# Altium PCB norbi_lm.PcbDoc (part 1 of 5) (continued)
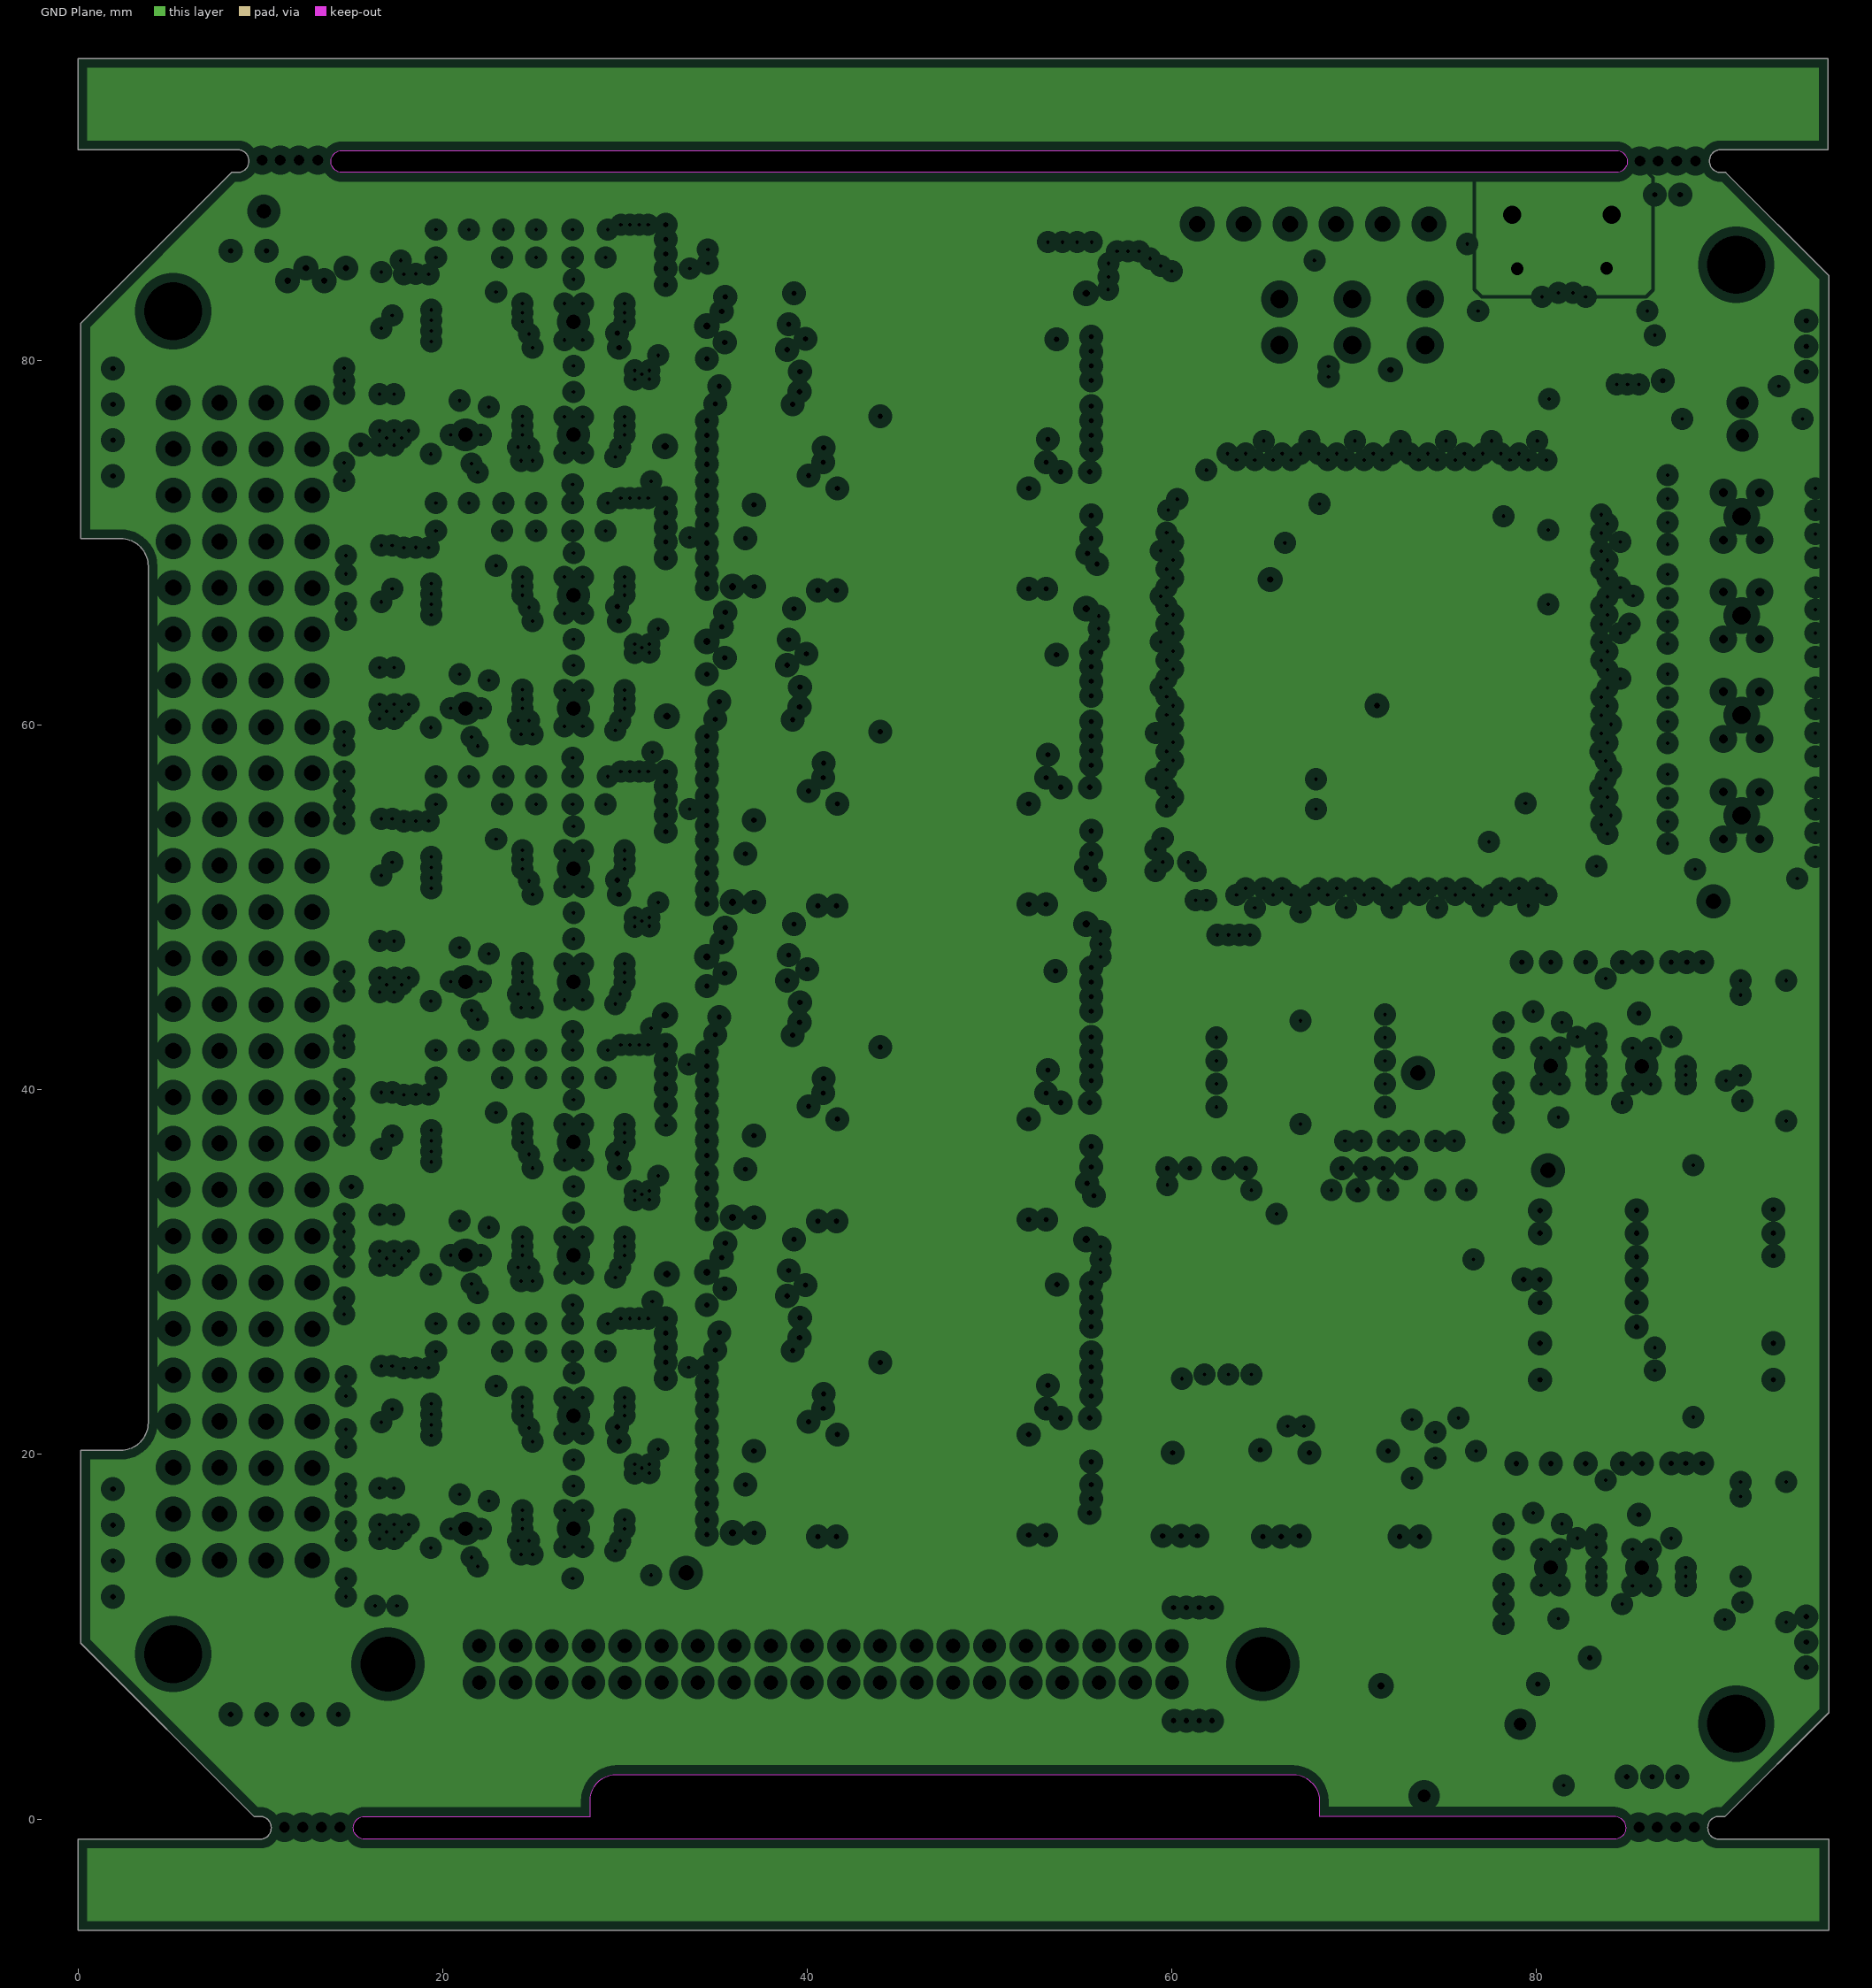
[diagram p4: GND Plane, clearances drawn from the general rule]
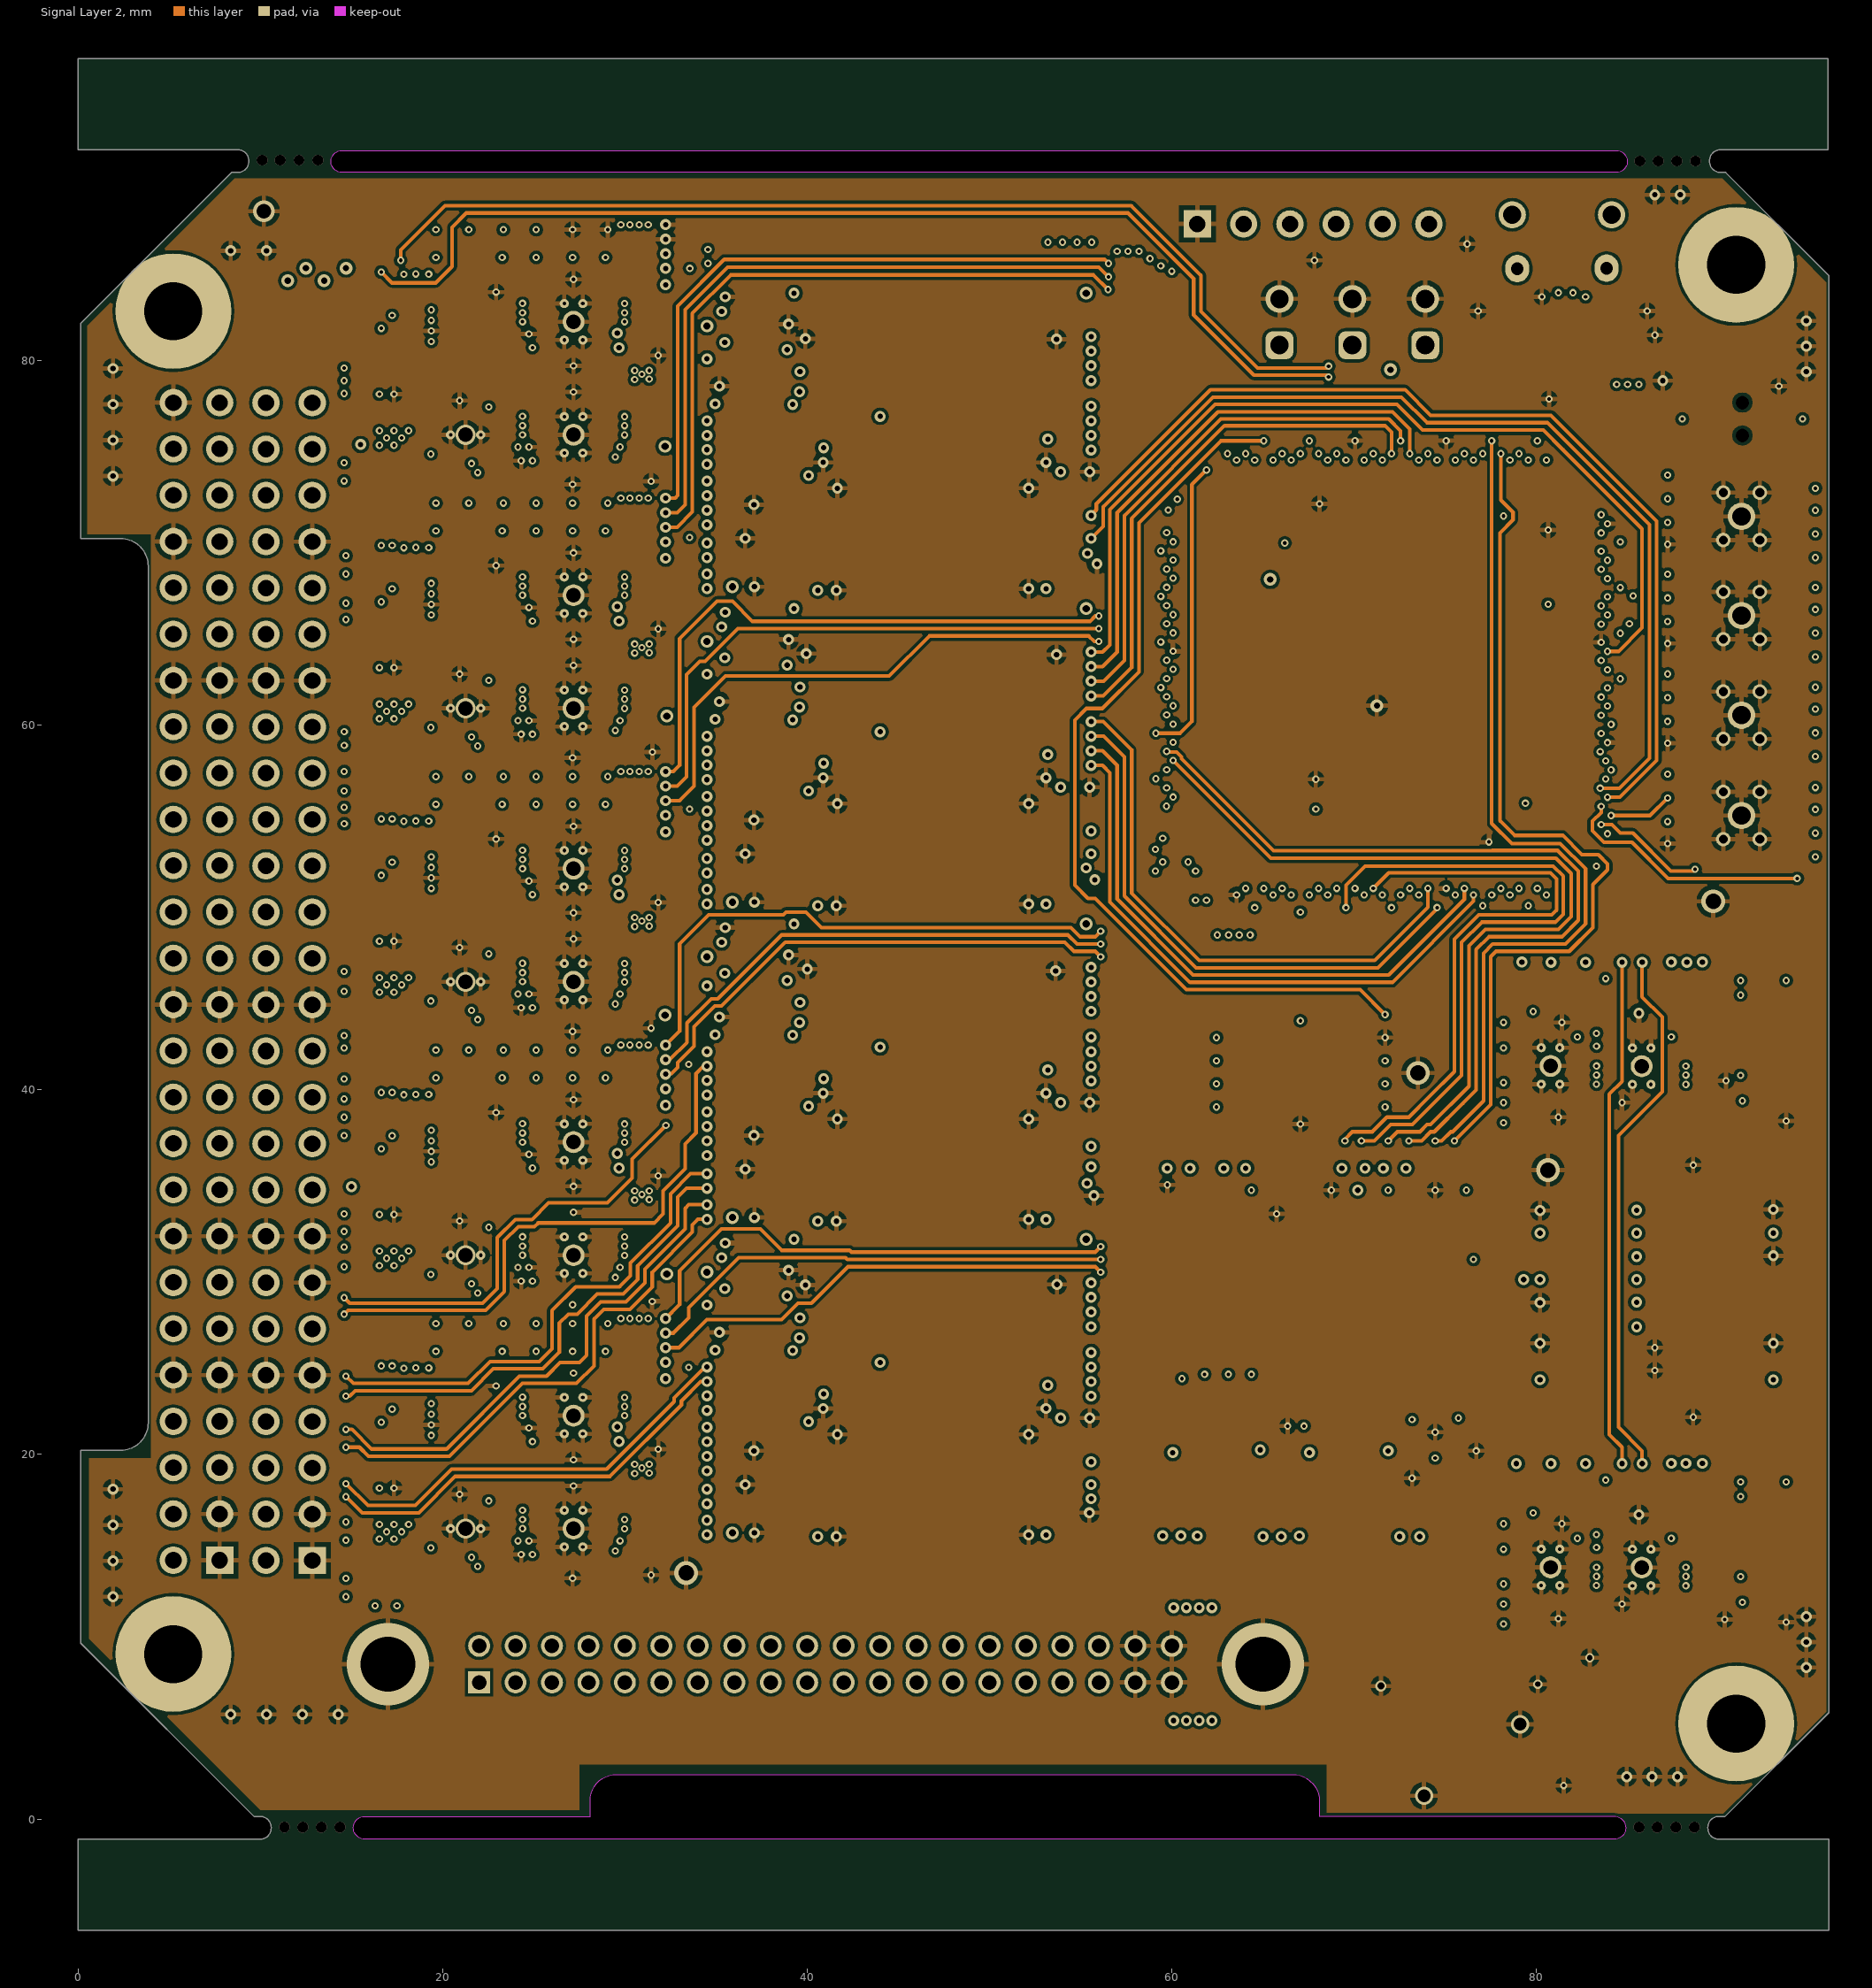
[diagram p5: Signal Layer 2]
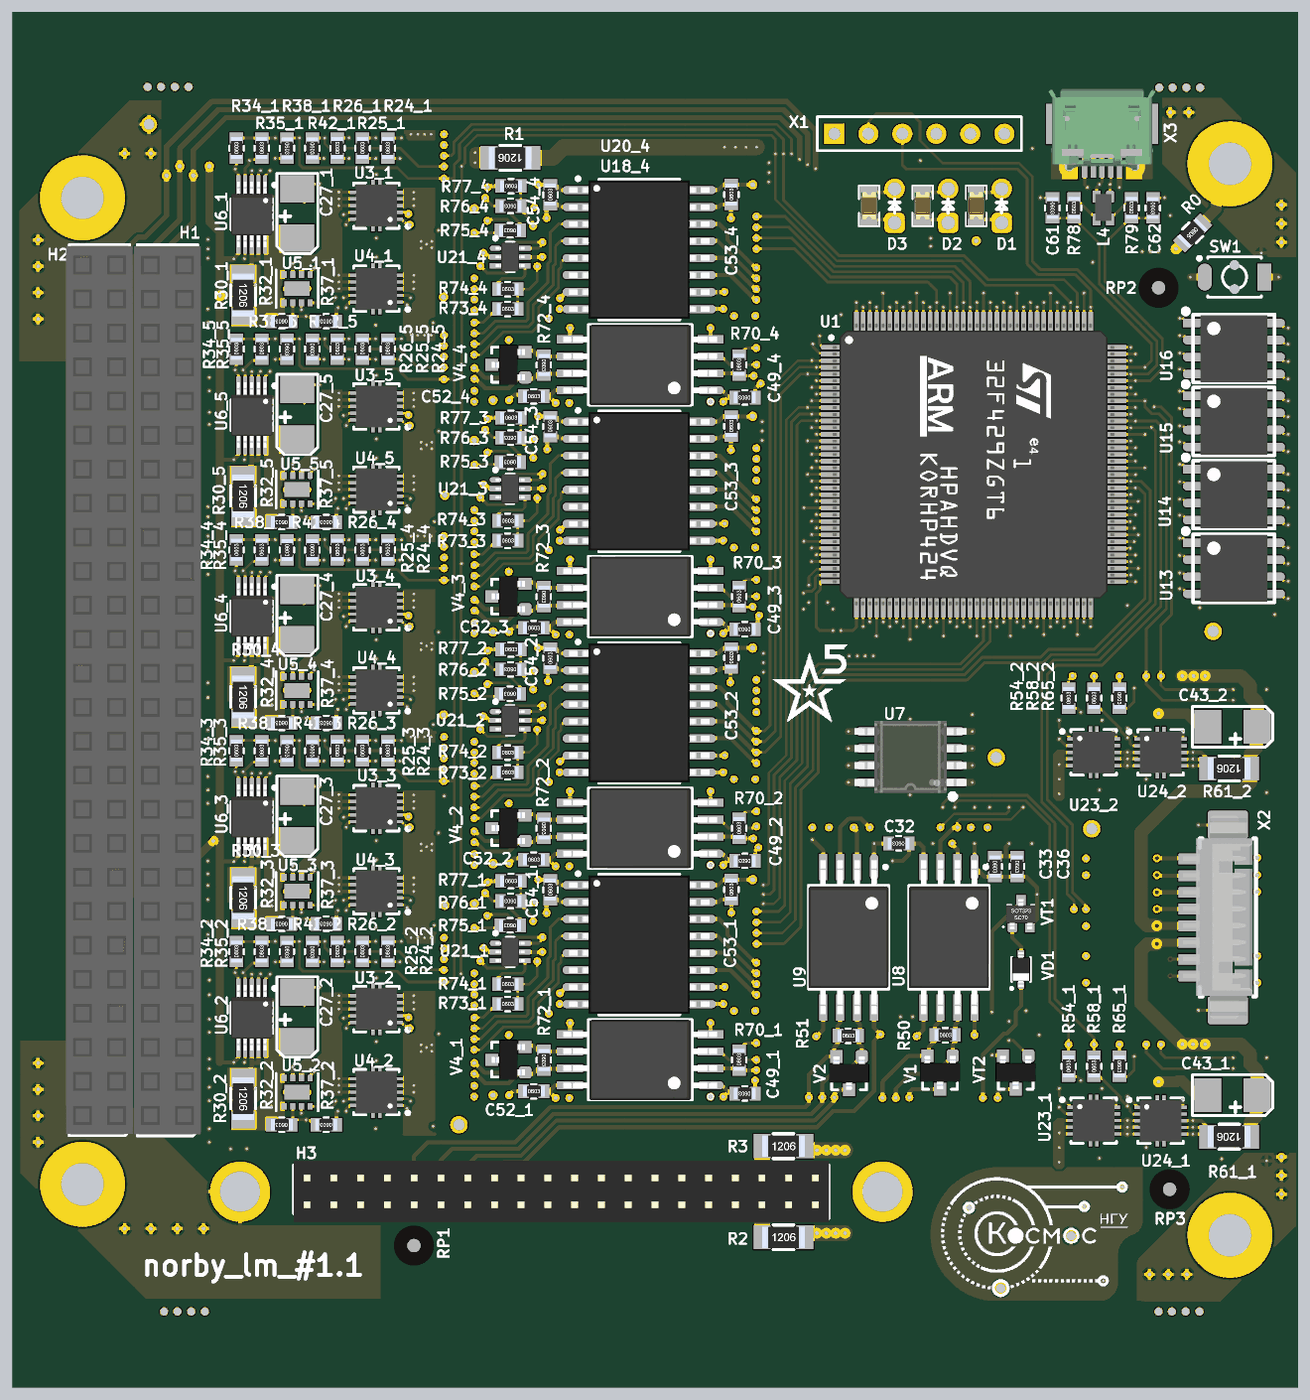
[diagram p10: 3D render of the assembled board from above, using the file's embedded part models]
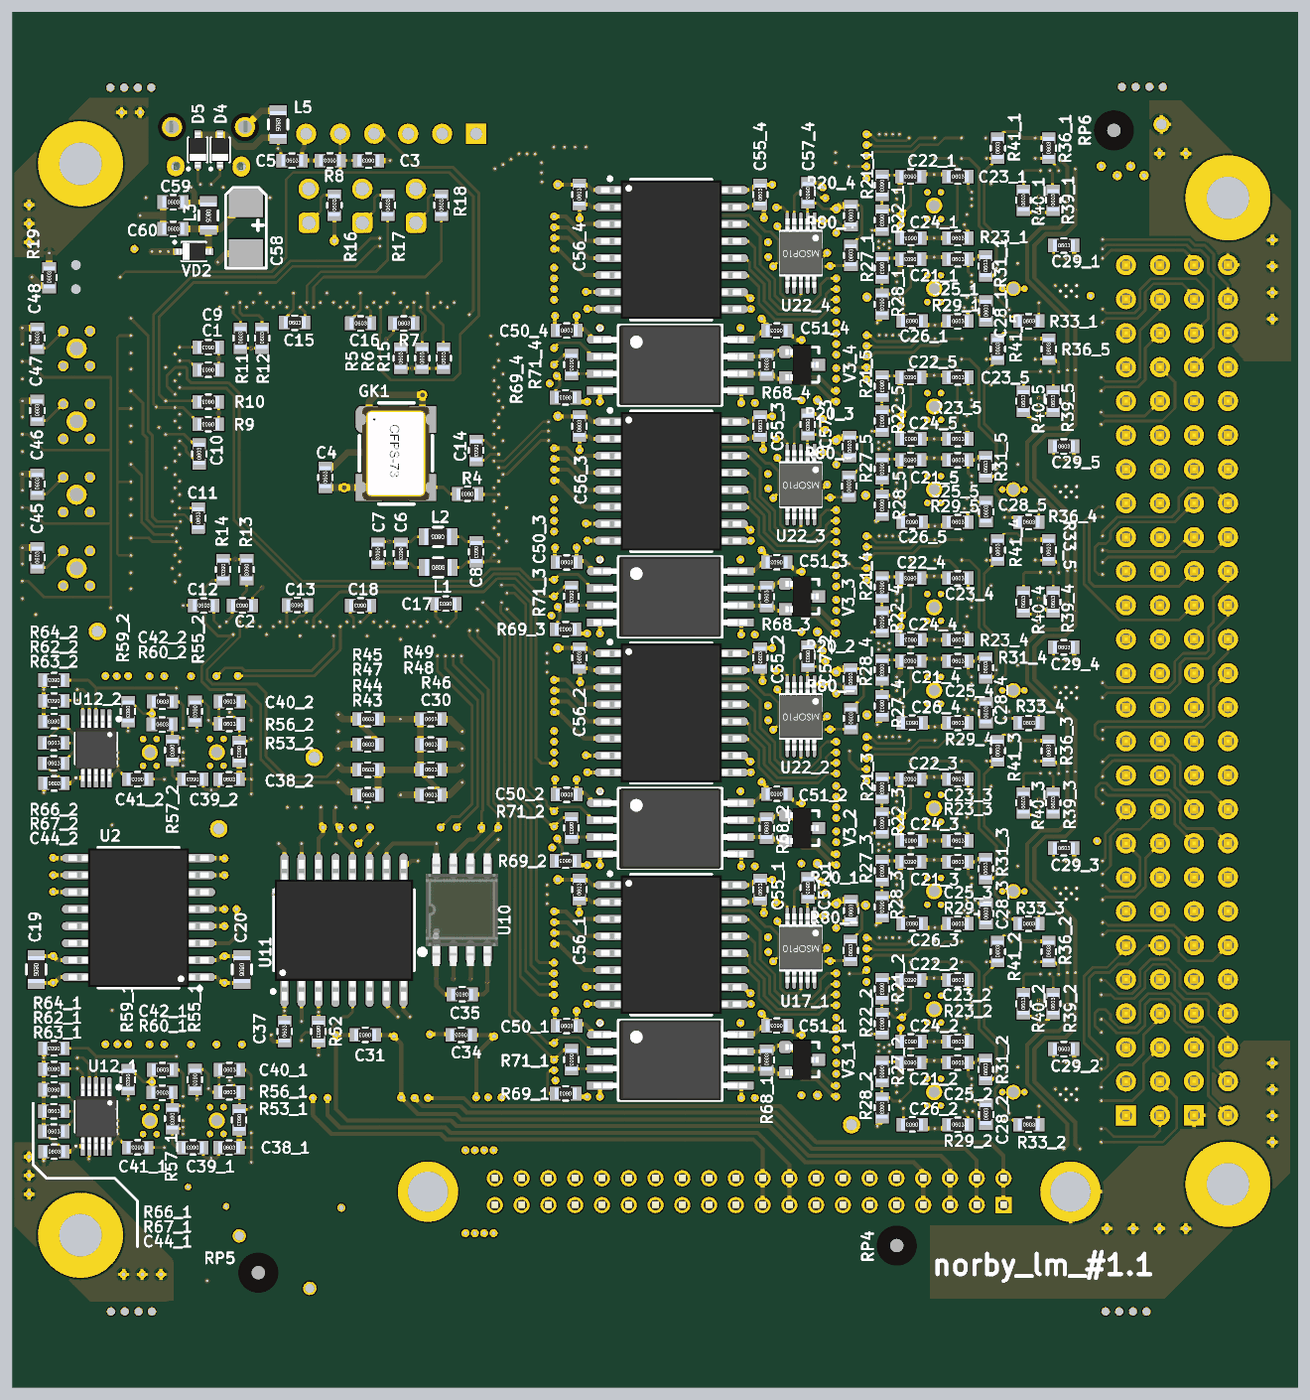
[diagram p11: 3D render of the assembled board from below, using the file's embedded part models]

## Layer stack, top to bottom
Top Solder: solder mask 0.01, Solder Resist, Dk 3.5
Top Layer: signal copper 0.03
Dielectric1: core 0.2, FR-4, Dk 4.8
Power Layer: signal copper 0.03
Dielectric3: prepreg 0.3, FR-4, Dk 4.8
Signal Layer 1: signal copper 0.03
Dielectric2: core 0.2, FR-4, Dk 4.8
GND Plane: plane copper 0.03, net (Multiple Nets)
Dielectric5: prepreg 0.3, FR-4, Dk 4.8
Signal Layer 2: signal copper 0.03
Dielectric4: core 0.3, FR-4, Dk 4.8
Bottom Layer: signal copper 0.03
Bottom Solder: solder mask 0.01, Solder Resist, Dk 3.5

## Board outline
0,-6.1 0,-1.1 10,-1.1 9.995,-1.1 ccw(c9.995,-0.5) 10.595,-0.5 10.595,-0.45 ccw(c9.995,-0.45) 9.995,0.15 9.65,0.15 0.15,9.65 0.15,20.235 2.35,20.235 ccw(c2.35,21.735) 3.85,21.735 3.85,68.735 ccw(c2.35,68.735) 2.35,70.235 0.15,70.235 0.15,82.05 8.42,90.32 8.765,90.32 ccw(c8.765,90.92) 9.365,90.92 9.365,90.97 ccw(c8.765,90.97) 8.765,91.57 8.77,91.57 0,91.57 0,96.57 96,96.57 96,91.57 90.1,91.57 ccw(c90.1,90.97) 89.5,90.97 89.5,90.92 ccw(c90.1,90.92) 90.1,90.32 90.38,90.32 96.04,84.66 96.04,70.235 96.04,5.84 90.35,0.15 90.005,0.15 ccw(c90.005,-0.45) 89.405,-0.45 89.405,-0.5 ccw(c90.005,-0.5) 90.005,-1.1 90,-1.1 96.04,-1.1 96.04,-6.1
cut-out: 14.475,90.32 cw(c14.475,90.92) 14.475,91.52 84.39,91.52 cw(c84.39,90.92) 84.39,90.32
cut-out: 15.1,-0.475 cw(c15.725,-0.475) 15.725,0.15 28.095,0.15 28.095,0.995 cw(c29.55,0.995) 29.55,2.45 66.625,2.45 cw(c66.625,0.975) 68.1,0.975 68.1,0.171 84.246,0.171 cw(c84.246,-0.483) 84.9,-0.483 cw(c84.283,-0.483) 84.283,-1.1 15.725,-1.1 cw(c15.725,-0.475)

## Design rules (kind name [scope] priority, off if disabled: settings)
Clearance [All] p1: gap=0.17 ignorepadtopadclearanceinfootprint=TRUE
DiffPairsRouting [All] p1: maxlimit=0.254 minlimit=0.17 mostfreqgap=0.2 toplayer_minwidth=0.17 toplayer_maxwidth=0.381 toplayer_prefwidth=0.2 midlayer1_minwidth=0.17 midlayer1_maxwidth=0.381 midlayer1_prefwidth=0.2 midlayer2_minwidth=0.17 midlayer2_maxwidth=0.381 midlayer2_prefwidth=0.2 midlayer3_minwidth=0.17 midlayer3_maxwidth=0.381 midlayer3_prefwidth=0.2 bottomlayer_minwidth=0.17 bottomlayer_maxwidth=0.381 bottomlayer_prefwidth=0.2 maxuncoupledlength=10
MinimumSolderMaskSliver [All] p1: minsoldermaskwidth=0.25
PlaneClearance [All] p1: clearance=0.508
PlaneConnect [All] p1: pad.planeconnectstyle=Relief pad.reliefexpansion=0.25 pad.reliefentries=4 pad.reliefconductorwidth=0.25 pad.reliefairgap=0.2 via.planeconnectstyle=Relief via.reliefexpansion=0.25 via.reliefentries=4 via.reliefconductorwidth=0.25 via.reliefairgap=0.25
PolygonConnect [(InNet('VBAT')  Or InNet('VB_SW_1')  Or  InNet('VB_SW_2')  Or  InNet('VB_SW_3')  Or  InNet('VB_SW_4')  Or  InNet('VB_SW_5'))] p1: connectstyle=Direct reliefconductorwidth=0.254 reliefentries=4 polygonreliefangle="90 Angle" airgapwidth=0.2
PolygonConnect PolygonConnect_4 [InNamedPolygon('Logo')] p2: connectstyle=Direct reliefconductorwidth=0.254 reliefentries=4 polygonreliefangle="90 Angle" airgapwidth=0.2
PolygonConnect PolygonConnect_2 [(InNet('V_ROW_1') OR InNet('V_ROW_2') OR InNet('V_ROW_3') OR InNet('V_ROW_4') OR InNet('V_ROW_5'))] p3: connectstyle=Direct reliefconductorwidth=0.254 reliefentries=4 polygonreliefangle="90 Angle" airgapwidth=0.2
PolygonConnect PolygonConnect_3 [(InNet('5V_PL1.1А') OR InNet('5V_PL1.1B') OR InNet('5V_PL1.2') OR InNet('5V_PL2') OR InNet('5V_PL_5') OR InNet('3V3'))] p4: connectstyle=Direct reliefconductorwidth=0.254 reliefentries=4 polygonreliefangle="90 Angle" airgapwidth=0.2
PolygonConnect PolygonConnect_1 [All] p5: connectstyle=Relief reliefconductorwidth=0.254 reliefentries=4 polygonreliefangle="90 Angle" airgapwidth=0.254
RoomDefinition lm_interface [InComponentClass('lm_interface')] p1: confinementstyle=ConfineIn formatcopy=TRUE lockcomponents=FALSE outline 59.05,15.1 77,15.1 77,36.2 59.05,36.2
RoomDefinition pl_pwr_ch_2 [InComponentClass('pl_pwr_ch_2')] p2: confinementstyle=ConfineIn formatcopy=TRUE lockcomponents=FALSE outline 16.032,27.785 32.632,27.785 32.632,42.785 16.032,42.785
RoomDefinition pl_pwr_ch_1 [InComponentClass('pl_pwr_ch_1')] p3: confinementstyle=ConfineIn formatcopy=FALSE lockcomponents=FALSE outline 16.032,12.785 32.632,12.785 32.632,27.785 16.032,27.785
RoomDefinition usb [InComponentClass('usb')] p4: confinementstyle=ConfineIn formatcopy=TRUE lockcomponents=FALSE outline 75.121,86.401 75.121,89.998 76.871,89.998 76.871,91.103 85.929,91.103 85.929,83.484 86.062,83.484 86.062,80.44 85.56,80.44 85.56,79.52 84.362,79.52 84.362,77.646 80.478,77.646 80.478,77.119 76.722,77.119 76.722,86.401
RoomDefinition measure_pwr [InComponentClass('measure_pwr')] p5: confinementstyle=ConfineIn formatcopy=TRUE lockcomponents=FALSE outline 78,38 94.5,38 94.5,47.5 78,47.5
RoomDefinition pl_pwr_ch_3 [InComponentClass('pl_pwr_ch_3')] p6: confinementstyle=ConfineIn formatcopy=TRUE lockcomponents=FALSE outline 16.032,42.785 32.632,42.785 32.632,57.785 16.032,57.785
RoomDefinition pl_pwr_ch_4 [InComponentClass('pl_pwr_ch_4')] p7: confinementstyle=ConfineIn formatcopy=TRUE lockcomponents=FALSE outline 16.032,57.785 32.632,57.785 32.632,72.785 16.032,72.785
RoomDefinition lm_pwr_ch [InComponentClass('lm_pwr_ch')] p8: confinementstyle=ConfineIn formatcopy=TRUE lockcomponents=FALSE outline 16.032,72.785 32.632,72.785 32.632,87.785 16.032,87.785
RoomDefinition pl_interface_4 [InComponentClass('pl_interface_4')] p9: confinementstyle=ConfineIn formatcopy=TRUE lockcomponents=FALSE outline 32.75,67.1 56.1,67.1 56.1,84.4 32.75,84.4
RoomDefinition pl_interface_3 [InComponentClass('pl_interface_3')] p10: confinementstyle=ConfineIn formatcopy=TRUE lockcomponents=FALSE outline 32.75,49.8 56.1,49.8 56.1,67.1 32.75,67.1
RoomDefinition pl_interface_2 [InComponentClass('pl_interface_2')] p11: confinementstyle=ConfineIn formatcopy=TRUE lockcomponents=FALSE outline 32.75,32.5 56.1,32.5 56.1,49.8 32.75,49.8
RoomDefinition pl_interface_1 [InComponentClass('pl_interface_1')] p12: confinementstyle=ConfineIn formatcopy=TRUE lockcomponents=FALSE outline 32.75,15.2 56.1,15.2 56.1,32.5 32.75,32.5
RoomDefinition trm_lm [InComponentClass('trm_lm')] p13: confinementstyle=ConfineIn formatcopy=TRUE lockcomponents=FALSE outline 72.35,37.43 72.35,44.457 61.75,44.457 61.75,37.43
RoomDefinition mem [InComponentClass('mem')] p14: confinementstyle=ConfineIn formatcopy=TRUE lockcomponents=FALSE outline 86.95,74.905 86.95,52.105 95.45,52.105 95.45,74.905
RoomDefinition mcu_pwr [InComponentClass('mcu_pwr')] p15: confinementstyle=ConfineIn formatcopy=TRUE lockcomponents=FALSE outline 78,10.5 94.5,10.5 94.5,20 78,20
RoutingVias [All] p1: holewidth=0.2 width=0.4 viastyle="Through Hole" minholewidth=0.2 minwidth=0.4 maxholewidth=5 maxwidth=7
SolderMaskExpansion [All] p1: expansion=0.1 istentingtop=FALSE
UnRoutedNet [All] p1: checkbadconnections=TRUE
Width [All] p1: maxlimit=4 minlimit=0.17 preferedwidth=0.25
25 further rules are at their usual default settings.

## Classes and differential pairs
component class usb: C58 C59 C60 C61 C62 D4 D5 L3 L4 L5 R78 R79 VD2 X3
channel class norbi_lm_pl_dcr_power_ch: mcu_pwr measure_pwr
component class measure_pwr: C38_2 C39_2 C40_2 C41_2 C42_2 C43_2 C44_2 R53_2 R54_2 R55_2 R56_2 R57_2 R58_2 R59_2 R60_2 R61_2 R62_2 R63_2 R64_2 R65_2 R66_2 R67_2 U12_2 U23_2 U24_2
channel class norbi_lm_single_power_ch: lm_pwr_ch pl_pwr_ch_1 pl_pwr_ch_2 pl_pwr_ch_3 pl_pwr_ch_4
component class pl_pwr_ch_4: C21_5 C22_5 C23_5 C24_5 C25_5 C26_5 C27_5 C28_5 C29_5 R21_5 R22_5 R23_5 R24_5 R25_5 R26_5 R27_5 R28_5 R29_5 R30_5 R31_5 R32_5 R33_5 R34_5 R35_5 R36_5 R37_5 R38_5 R39_5 R40_5 R41_5 R42_5 U3_5 U4_5 U5_5 U6_5
component class pl_pwr_ch_2: C21_3 C22_3 C23_3 C24_3 C25_3 C26_3 C27_3 C28_3 C29_3 R21_3 R22_3 R23_3 R24_3 R25_3 R26_3 R27_3 R28_3 R29_3 R30_3 R31_3 R32_3 R33_3 R34_3 R35_3 R36_3 R37_3 R38_3 R39_3 R40_3 R41_3 R42_3 U3_3 U4_3 U5_3 U6_3
component class pl_pwr_ch_1: C21_2 C22_2 C23_2 C24_2 C25_2 C26_2 C27_2 C28_2 C29_2 R21_2 R22_2 R23_2 R24_2 R25_2 R26_2 R27_2 R28_2 R29_2 R30_2 R31_2 R32_2 R33_2 R34_2 R35_2 R36_2 R37_2 R38_2 R39_2 R40_2 R41_2 R42_2 U3_2 U4_2 U5_2 U6_2
component class lm_pwr_ch: C21_1 C22_1 C23_1 C24_1 C25_1 C26_1 C27_1 C28_1 C29_1 R21_1 R22_1 R23_1 R24_1 R25_1 R26_1 R27_1 R28_1 R29_1 R30_1 R31_1 R32_1 R33_1 R34_1 R35_1 R36_1 R37_1 R38_1 R39_1 R40_1 R41_1 R42_1 U3_1 U4_1 U5_1 U6_1
component class pl_pwr_ch_3: C21_4 C22_4 C23_4 C24_4 C25_4 C26_4 C27_4 C28_4 C29_4 R21_4 R22_4 R23_4 R24_4 R25_4 R26_4 R27_4 R28_4 R29_4 R30_4 R31_4 R32_4 R33_4 R34_4 R35_4 R36_4 R37_4 R38_4 R39_4 R40_4 R41_4 R42_4 U3_4 U4_4 U5_4 U6_4
channel class norbi_lm_pl_interface: pl_interface_1 pl_interface_2 pl_interface_3 pl_interface_4
component class pl_interface_4: C49_4 C50_4 C51_4 C52_4 C53_4 C54_4 C55_4 C56_4 C57_4 R20_4 R68_4 R69_4 R70_4 R71_4 R72_4 R73_4 R74_4 R75_4 R76_4 R77_4 R80_4 U17_4 U18_4 U19_4 U20_4 U21_4 U22_4 V3_4 V4_4
component class pl_interface_3: C49_3 C50_3 C51_3 C52_3 C53_3 C54_3 C55_3 C56_3 C57_3 R20_3 R68_3 R69_3 R70_3 R71_3 R72_3 R73_3 R74_3 R75_3 R76_3 R77_3 R80_3 U17_3 U18_3 U19_3 U20_3 U21_3 U22_3 V3_3 V4_3
component class pl_interface_2: C49_2 C50_2 C51_2 C52_2 C53_2 C54_2 C55_2 C56_2 C57_2 R20_2 R68_2 R69_2 R70_2 R71_2 R72_2 R73_2 R74_2 R75_2 R76_2 R77_2 R80_2 U17_2 U18_2 U19_2 U20_2 U21_2 U22_2 V3_2 V4_2
component class pl_interface_1: C49_1 C50_1 C51_1 C52_1 C53_1 C54_1 C55_1 C56_1 C57_1 R20_1 R68_1 R69_1 R70_1 R71_1 R72_1 R73_1 R74_1 R75_1 R76_1 R77_1 R80_1 U17_1 U18_1 U19_1 U20_1 U21_1 U22_1 V3_1 V4_1
component class trm_lm: C30 R43 R44 R45 R46 R47 R48 R49 U7
component class mem: C45 C46 C47 C48 U13 U14 U15 U16
component class mcu_pwr: C38_1 C39_1 C40_1 C41_1 C42_1 C43_1 C44_1 R53_1 R54_1 R55_1 R56_1 R57_1 R58_1 R59_1 R60_1 R61_1 R62_1 R63_1 R64_1 R65_1 R66_1 R67_1 U12_1 U23_1 U24_1
component class pl_dcr: C19 C20 U2 X2
component class pl_iss: H1 H2
component class lm_interface: C31 C32 C33 C34 C35 C36 C37 R50 R51 R52 U8 U9 U10 U11 V1 V2 VD1 VT1 VT2
component class norbi_lm_main: C1 C2 C3 C4 C5 C6 C7 C8 C9 C10 C11 C12 C13 C14 C15 C16 C17 C18 D1 D2 D3 GK1 H3 L1 L2 R0 R1 R2 R3 R4 R5 R6 R7 R8 R9 R10 R11 R12 R13 R14 R15 R16 R17 R18 R19 RP1 RP2 RP3 RP4 RP5 RP6 SW1 U1 X1
differential pair USB_D: +USB_D_P -USB_D_N
